# Altium PCB 掌控拓展板Ⅰ V2.1.PcbDoc (part 2 of 2)
Units mm, origin at the board's own origin, x right, y up, seen from the top; angles counter-clockwise.
Board outline 51.8 x 47.39 mm, 2 copper layers (Top Layer, Bottom Layer); 114 components, 77 nets, 340 pads, 218 vias.
Unrouted connection lines stored in the file: 2.
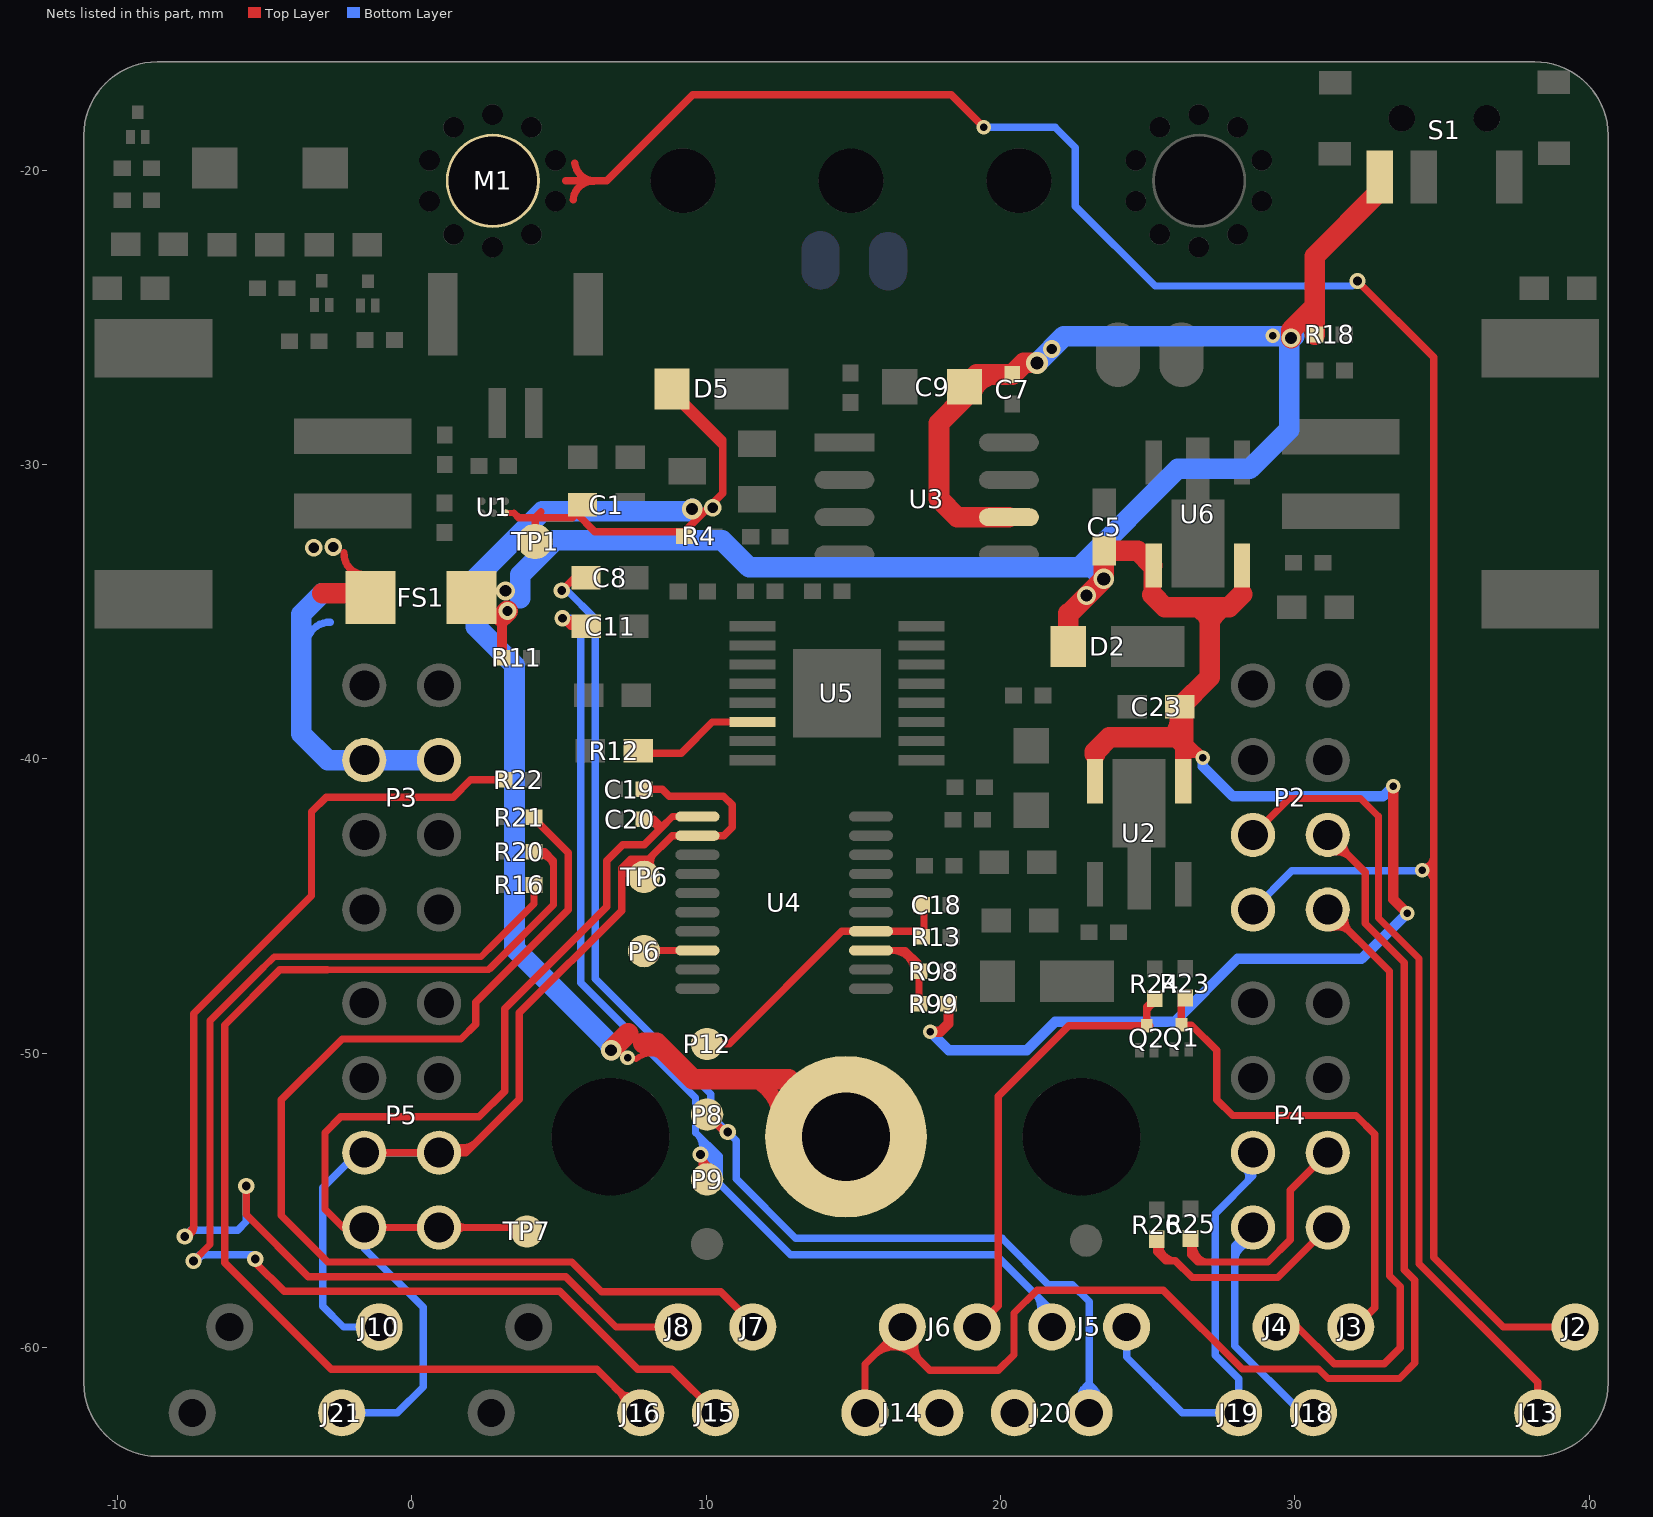
[diagram p2: the nets of this part, all layers, seen from the top]

## Via types
v1: diameter 0.5, hole 0.25, Top Layer to Bottom Layer, tented both sides, 126 vias
v2: diameter 0.55, hole 0.3, Top Layer to Bottom Layer, tented both sides, 64 vias
v3: diameter 0.6, hole 0.35, Top Layer to Bottom Layer, tented both sides, 10 vias
v4: diameter 0.7, hole 0.4, Top Layer to Bottom Layer, tented both sides, 3 vias
v5: diameter 0.65, hole 0.4, Top Layer to Bottom Layer, tented both sides, 3 vias
v6: diameter 0.6, hole 0.3, Top Layer to Bottom Layer, tented both sides, 3 vias
v7: diameter 0.55, hole 0.25, Top Layer to Bottom Layer, tented both sides, 3 vias
v8: diameter 0.8, hole 0.5, Top Layer to Bottom Layer, tented both sides, 3 vias
v9: diameter 0.75, hole 0.45, Top Layer to Bottom Layer, tented both sides, 1 vias
v10: diameter 0.65, hole 0.35, Top Layer to Bottom Layer, tented both sides, 1 vias
v11: diameter 0.7, hole 0.45, Top Layer to Bottom Layer, tented both sides, 1 vias

## Nets (pads, with @x,y where several pads share a name; then routed paths per layer and width w, separated by ;. In a path a pad name is that pad's centre, name@x,y a point inside that pad or via, vN(x,y) a via of type N, cw(c..) or ccw(c..) an arc to the next point about the centre after c; other vN are vias at no path point) (continued)
NetR12_1: R12.1 U5.6 | length 4.3
  Top Layer w0.25: R12.1@7.686,-39.806 9.147,-39.806 10.208,-38.745 U5.6@11.573,-38.745
NetR98_2: R98.2 R99.1 U4.3 | length 4
  Top Layer w0.2: U4.3@16.233,-46.535 cw(c16.322,-47.253) R98.2@17.04,-47.165
  Top Layer w0.25: U4.3@15.6,-46.51 16.771,-46.51 17.192,-46.931 ; R99.1@17.23,-48.317 17.23,-47.223 R98.2@17.237,-47.216
NRST: C18.2 P12.1 R13.2 U4.4 | length 10.1
  Top Layer w0.25: P12.1@10.029,-49.687 10.784,-49.687 14.611,-45.86 U4.4@15.6,-45.86 17.372,-45.86 R13.2@17.401,-45.889 ; R13.2@17.401,-45.903 17.408,-45.896 R13.2@17.401,-45.889 ; C18.2@17.401,-44.781 R13.2@17.401,-45.889
P0: J13.1 P2.3 | length 27.5
  Top Layer w0.25: P2.3@28.58,-42.582 29.816,-41.346 32.235,-41.346 32.845,-41.955 32.845,-45.409 34.219,-46.784 34.219,-57.152 38.254,-61.187 J13.1@38.254,-62.224
P1: J5.1 J19.1 P4.3 | length 16.1
  Bottom Layer w0.25: J5.1@24.284,-59.304 24.284,-60.326 26.182,-62.224 J19.1@28.094,-62.224 28.094,-61.06 27.299,-60.265 27.299,-55.451 28.58,-54.17 P4.3@28.58,-53.382 ; P4.3@28.264,-53.893 cw(c28.093,-54.192) 28.392,-54.363 ; P4.3@28.416,-53.218 P4.3@28.58,-53.054
P2: J6.2 J14.2 P2.4 | length 49.6
  Top Layer w0.2: P2.4@31.305,-43.192 cw(c31.423,-43.842) 31.917,-43.402 ; P2.4@31.731,-42.539 ccw(c32.428,-42.825) 31.916,-43.379
  Top Layer w0.22: 15.747,-60.235 cw(c16.385,-60.976) 17.126,-60.338 ; J6.2@17.134,-59.577 ccw(c17.539,-59.933) 17.183,-60.338 ; J6.2@17.289,-59.44 ccw(c17.894,-59.956) 17.377,-60.561
  Top Layer w0.25: J14.2@15.394,-62.224 15.394,-60.574 J6.2@16.664,-59.304 16.664,-59.851 17.593,-60.78 19.921,-60.78 20.458,-60.243 20.458,-58.832 21.239,-58.051 25.526,-58.051 28.21,-60.735 30.807,-60.735 31.127,-61.055 33.557,-61.055 34.082,-60.53 34.082,-57.721 33.719,-57.359 33.719,-46.92 32.395,-45.595 32.395,-43.857 P2.4@31.12,-42.582
P3: J2.1 M1.1 P2.1 | length 82.7
  Top Layer w0.25: 5.229,-20.357 6.621,-20.357 9.547,-17.431 18.329,-17.431 v1(19.435,-18.536) ; 5.479,-21.009 cw(c6.145,-21.04) 6.176,-20.374 ; 5.536,-19.757 ccw(c6.202,-19.69) 6.27,-20.356 ; P2.1@28.061,-45.122 P2.1@28.58,-45.122 ; v2(32.128,-23.758) 34.719,-26.35 34.719,-26.854 34.719,-43.801 ; v1@34.317,-43.703 ccw(c34.338,-43.323) 34.719,-43.344 ; 34.719,-44.161 ccw(c34.338,-44.164) v1(34.334,-43.783) 34.702,-43.783 34.719,-43.801 ; J2.1@39.524,-59.304 37.078,-59.304 34.719,-56.945 34.719,-43.801
  Bottom Layer w0.25: v1(19.435,-18.536) 21.855,-18.536 22.545,-19.226 22.545,-21.222 25.255,-23.931 31.955,-23.931 v2(32.128,-23.758) ; P2.1@28.58,-45.122 29.901,-43.801 34.405,-43.801 v1@34.44,-43.765
P4: 
P5: P4.4 R25.1 | length 8.8
  Top Layer w0.25: R25.1@26.457,-56.3 26.457,-56.857 26.695,-57.095 29.09,-57.095 29.849,-56.337 29.849,-54.653 P4.4@31.12,-53.382 ; R25.1@26.599,-56.338 ccw(c27.138,-56.555) 26.922,-57.094
P5-A: J3.2 Q1.3 R23.2 | length 17
  Top Layer w0.25: R23.2@26.272,-48.132 26.147,-48.257 Q1.3@26.147,-49.042 26.487,-49.042 27.348,-49.903 27.348,-51.581 27.888,-52.121 32.081,-52.121 32.719,-52.759 32.719,-58.646 32.061,-59.304 J3.2@31.904,-59.304
P6: J18.2 P4.1 | length 10.5
  Top Layer w0.25: J18.2@30.187,-62.224 J18.2@30.634,-62.224
  Bottom Layer w0.2: P4.1@27.971,-56.025 cw(c28.662,-56.119) P4.1@28.755,-55.429
  Bottom Layer w0.25: 27.97,-56.952 cw(c28.635,-57.108) P4.1@28.79,-56.443 ; P4.1@28.58,-55.922 27.966,-56.536 27.966,-59.949 30.241,-62.224 J18.2@30.634,-62.224
P7: J4.1 P2.2 | length 22.4
  Top Layer w0.2: P2.2@31.225,-45.765 cw(c31.429,-46.469) 31.923,-45.927 ; P2.2@31.759,-45.16 ccw(c32.44,-45.404) 31.922,-45.909
  Top Layer w0.25: J4.1@29.364,-59.304 30.089,-59.304 31.341,-60.555 33.041,-60.555 33.582,-60.014 33.582,-57.928 33.219,-57.566 33.219,-47.222 P2.2@31.12,-45.122
P8: C8.2 J20.1 P8.1 | length 44.3
  Top Layer w0.25: v2(5.093,-34.279) 5.529,-33.843 C8.2@5.906,-33.843 ; P8.1@10.029,-52.087 10.624,-52.682 v2(10.733,-52.682)
  Bottom Layer w0.22: J20.1@22.803,-62.364 cw(c23.477,-61.892) 23.005,-61.219 ; 23.022,-61.261 cw(c22.713,-61.818) J20.1@23.27,-62.128
  Bottom Layer w0.25: v2(5.093,-34.279) 5.269,-34.279 6.231,-35.241 6.231,-47.47 10.149,-51.388 10.149,-52.098 v2(10.733,-52.682) 11.017,-52.966 11.017,-54.27 13.043,-56.296 20.055,-56.296 21.625,-57.866 22.441,-57.866 23.014,-58.439 J20.1@23.014,-62.224
P9: C11.2 J5.2 P9.1 | length 43.5
  Top Layer w0.22: v2@9.731,-53.519 cw(c9.479,-53.791) P9.1@9.751,-54.042 ; v2@9.906,-53.373 ccw(c10.324,-53.478) P9.1@10.219,-53.896
  Top Layer w0.25: v2(5.117,-35.221) 5.387,-35.49 C11.2@5.925,-35.49 ; v2@5.168,-35.086 ccw(c5.441,-34.979) C11.2@5.548,-35.252 ; P9.1@10.029,-54.287 P9.1@10.231,-54.489
  Bottom Layer w0.22: 9.637,-52.699 cw(c9.247,-53.171) v2@9.719,-53.561 ; v2@9.751,-53.551 cw(c9.851,-54.139) 10.438,-54.039 ; v2@9.824,-53.352 cw(c9.919,-53.871) 10.438,-53.776 ; 21.049,-58.082 cw(c20.669,-58.653) J5.2@21.24,-59.033 ; 21.286,-58.308 cw(c20.9,-58.736) J5.2@21.328,-59.121
  Bottom Layer w0.25: v2(5.117,-35.221) 5.387,-35.221 5.731,-35.565 5.731,-47.606 9.637,-51.512 9.637,-52.699 ; 10.079,-53.14 9.637,-52.699 ; J5.2@21.744,-59.304 21.744,-58.756 19.836,-56.847 12.863,-56.847 10.444,-54.428 10.444,-53.505 9.637,-52.699
  other v2: 9.801,-53.446
P10: J20.2
P11: P4.2 R26.1 | length 8.3
  Top Layer w0.25: R26.1@25.308,-56.324 25.308,-56.743 25.616,-57.051 25.941,-57.051 26.512,-57.623 29.419,-57.623 P4.2@31.12,-55.922 ; R26.1@25.41,-56.279 ccw(c26.014,-56.45) 25.843,-57.054
P11-A: J6.1 Q2.3 R24.2 | length 16.3
  Top Layer w0.2: 24.965,-48.793 cw(c25.405,-48.736) R24.2@25.348,-48.296
  Top Layer w0.25: J6.1@19.307,-59.005 19.204,-59.107 J6.1@19.204,-59.304 19.922,-58.586 19.922,-51.469 22.319,-49.072 Q2.3@24.968,-49.072 ; Q2.3@25.067,-49.072 Q2.3@24.968,-49.072 ; R24.2@25.247,-48.147 25.067,-48.327 24.968,-48.426 Q2.3@24.968,-49.072
P12: J14.1
P13: J7.2 R21.1 | length 38.1
  Top Layer w0.25: R21.1@4.141,-41.99 4.141,-42.017 5.312,-43.189 5.312,-45.128 2.166,-48.275 2.166,-49.017 1.667,-49.516 -2.374,-49.516 -4.439,-51.582 -4.439,-55.515 -2.859,-57.095 5.434,-57.095 6.443,-58.105 10.493,-58.105 11.584,-59.196 J7.2@11.584,-59.304
P14: J15.2 R16.1 | length 43
  Top Layer w0.22: -5.049,-47.091 -4.687,-46.729 2.336,-46.729 2.618,-46.447
  Top Layer w0.25: v2(-7.42,-57.062) -6.862,-56.504 -6.862,-48.904 -5.049,-47.091 ; v2@-5.32,-56.853 -5.32,-57.118 -4.343,-58.095 5.02,-58.095 7.669,-60.744 8.834,-60.744 J15.2@10.314,-62.224 J15.2@10.314,-61.569 ; 2.618,-46.447 4.147,-44.918 R16.1@4.147,-44.285
  Bottom Layer w0.2: v2@-7.273,-57.139 cw(c-6.995,-57.154) -6.98,-56.876
  Bottom Layer w0.25: v2(-7.42,-57.062) -7.212,-56.853 v2@-5.32,-56.853
  other v2: -5.325,-56.992
P15: J8.1 R22.2 | length 44.9
  Top Layer w0.22: v2(-7.718,-56.232) ccw(c-7.718,-55.927) -7.413,-55.927
  Top Layer w0.25: v2(-7.718,-56.232) -7.413,-55.927 -7.413,-48.652 -3.415,-44.654 -3.415,-41.801 -2.913,-41.299 1.4,-41.299 1.99,-40.709 R22.2@3.128,-40.709 ; v2(-5.631,-54.513) -5.631,-55.484 -3.519,-57.595 5.227,-57.595 6.935,-59.304 J8.1@9.044,-59.304
  Bottom Layer w0.2: v2@-7.577,-56.306 cw(c-7.302,-56.285) -7.323,-56.01
  Bottom Layer w0.25: v2(-7.718,-56.232) -7.718,-56.212 -7.521,-56.015 -5.924,-56.015 -5.631,-55.721 v2(-5.631,-54.513)
P16: J16.1 R20.2 | length 42.2
  Top Layer w0.2: R20.2@4.24,-43.289 cw(c4.336,-43.751) 4.798,-43.655
  Top Layer w0.22: -2.873,-47.169 2.603,-47.169 2.663,-47.109 ; 6.898,-61.392 cw(c6.562,-61.961) J16.1@7.132,-62.297 ; 6.906,-61.378 ccw(c7.381,-61.069) J16.1@7.69,-61.544
  Top Layer w0.25: -2.873,-47.169 -4.491,-47.169 -6.362,-49.041 -6.362,-57.12 -2.745,-60.738 6.288,-60.738 J16.1@7.774,-62.224 ; 2.663,-47.109 4.812,-44.96 4.812,-43.458 4.511,-43.156 R20.2@4.154,-43.156
SCL: C19.2 J10.1 P5.3 P5.4 TP6.1 U4.12 | length 37.5
  Top Layer w0.2: 7.13,-43.948 cw(c7.499,-44.051) TP6.1@7.602,-43.682 ; 7.132,-44.065 cw(c7.423,-44.164) TP6.1@7.522,-43.873 ; 7.321,-43.561 cw(c7.44,-43.806) TP6.1@7.685,-43.687 ; TP6.1@8.214,-43.771 cw(c8.552,-43.519) 8.3,-43.181
  Top Layer w0.25: P5.3@-1.62,-53.382 P5.4@0.92,-53.382 1.827,-53.382 3.648,-51.561 3.648,-48.631 7.124,-45.155 7.124,-43.716 7.43,-43.41 8.04,-43.41 8.84,-42.61 U4.12@9.7,-42.61 10.591,-42.61 10.883,-42.318 10.883,-41.559 10.589,-41.265 8.742,-41.265 8.509,-41.032 C19.2@7.888,-41.032 ; P5.4@1.235,-53.02 ccw(c1.709,-52.56) 2.17,-53.034
  Bottom Layer w0.25: J10.1@-1.116,-59.304 -2.327,-59.304 -3.032,-58.598 -3.032,-54.568 -1.846,-53.382 P5.3@-1.62,-53.382 P5.4@0.92,-53.382
SDA: C20.2 J21.1 P5.1 P5.2 TP7.1 U4.11 | length 44.1
  Top Layer w0.2: P5.2@1.369,-55.458 ccw(c1.849,-55.427) 1.881,-55.908 ; P5.2@1.463,-56.245 cw(c1.869,-56.331) 1.955,-55.925 ; C20.2@7.831,-42.168 cw(c7.994,-42.514) 8.34,-42.351
  Top Layer w0.25: TP7.1@3.907,-56.059 3.77,-55.922 P5.2@0.92,-55.922 P5.1@-1.62,-55.922 -2.339,-55.922 -2.954,-55.308 -2.954,-52.699 -2.416,-52.161 2.28,-52.161 3.148,-51.292 3.148,-48.494 6.624,-45.019 6.624,-43.46 7.167,-42.917 7.897,-42.917 8.489,-42.325 ; C20.2@7.894,-42.052 8.215,-42.052 8.489,-42.325 ; U4.11@9.7,-41.96 8.854,-41.96 8.489,-42.325
  Bottom Layer w0.25: J21.1@-2.386,-62.224 -0.498,-62.224 0.38,-61.346 0.38,-58.637 -1.62,-56.637 P5.1@-1.62,-55.922 P5.2@0.92,-55.922
SWIM: P6.1 U4.18 | length 1.8
  Top Layer w0.25: P6.1@7.981,-46.426 8.065,-46.51 U4.18@9.7,-46.51
VCC: C5.1 C7.1 C9.1 C23.1 D2.A FS1.2 R11.1 R18.1 R99.2 S1.2 U2.4 U2.5 U3.6 U6.4 U6.5 | length 121.1
  Top Layer w0.2: 25.575,-39.143 ccw(c25.297,-38.674) C23.1@25.766,-38.395 ; 26.293,-40.005 cw(c26.602,-40.275) v1(26.872,-39.966)
  Top Layer w0.25: C9.1@19.187,-27.756 cw(c19.929,-27.892) 20.066,-27.15 ; 26.381,-35.032 cw(c26.414,-35.534) 26.916,-35.501 ; 27.285,-35.679 cw(c27.929,-35.649) 27.899,-35.006
  Top Layer w0.35: R11.1@3.057,-36.559 v3@3.057,-35.166 ; v1(17.612,-49.273) 17.956,-49.273 18.23,-48.999 R99.2@18.23,-48.317 ; 26.211,-39.482 26.389,-39.482 v1(26.872,-39.966) ; v1(33.345,-40.929) 33.345,-44.774 v1(33.818,-45.247)
  Top Layer w0.55: U2.5@23.211,-41.173 U2.5@23.211,-40.762 23.211,-39.842 ; U2.4@26.211,-40.762 26.211,-39.482 ; 28.205,-34.408 U6.5@28.205,-33.427
  Top Layer w0.6: 25.163,-34.427 U6.4@25.163,-33.428
  Top Layer w0.7: v3@3.057,-35.166 v3(3.247,-34.976) ; U3.6@20.287,-31.788 18.535,-31.788 17.909,-31.162 17.909,-28.59 18.779,-27.721 C9.1@18.779,-27.355 19.196,-26.938 C7.1@20.405,-26.938 20.798,-26.544 v9(21.244,-26.544) ; D2.A@22.302,-36.179 22.302,-35.092 ; 22.302,-35.048 22.302,-35.092 ; 23.21,-39.842 23.21,-39.764 23.705,-39.269 25.997,-39.269 26.211,-39.482 C23.1@26.211,-38.311 ; 25.163,-34.427 25.582,-34.846 26.906,-34.846 ; U6.4@25.163,-33.428 24.66,-32.926 23.502,-32.926 23.509,-32.933 v11(23.509,-33.885) 22.302,-35.092 ; C23.1@26.098,-38.235 27.111,-37.223 27.111,-35.051 26.906,-34.846 ; 28.205,-34.408 27.767,-34.846 26.906,-34.846 ; v5(29.876,-25.697) 29.876,-25.429 30.68,-24.624 ; R18.1@30.68,-25.578 30.68,-24.624 ; S1.2@32.882,-20.232 32.882,-20.715 30.68,-22.916 30.68,-24.624
  Bottom Layer w0.35: v1(17.612,-49.273) 18.24,-49.901 20.889,-49.901 21.861,-48.929 25.921,-48.929 28.054,-46.795 32.269,-46.795 v1(33.818,-45.247) v1@33.843,-45.221 ; v1(26.872,-39.966) 26.872,-40.245 27.899,-41.273 33.001,-41.273 v1(33.345,-40.929)
  Bottom Layer w0.7: 3.678,-34.54 3.678,-33.749 4.85,-32.576 10.548,-32.576 11.456,-33.485 22.681,-33.485 ; v9(21.244,-26.544) 22.157,-25.632 v5@29.811,-25.632 ; v11(23.509,-33.885) 23.108,-33.485 22.681,-33.485 ; v5@29.989,-25.632 v5@29.811,-25.632 ; 22.681,-33.485 26.024,-30.142 28.476,-30.142 29.811,-28.807 v5@29.811,-25.632
  other v1: 29.25,-25.616
  other v3: 21.737,-26.071
  other v5: 22.923,-34.447 3.181,-34.29
VCC1: FS1.1 P3.5 P3.6 | length 14.2
  Top Layer w0.25: -2.309,-32.99 ccw(c-1.594,-33.025) FS1.1@-1.629,-33.74 ; FS1.1@-1.548,-34.375 FS1.1@-1.413,-34.51
  Top Layer w0.7: -3.048,-34.375 FS1.1@-1.548,-34.375
  Bottom Layer w0.25: -3.588,-36.122 cw(c-2.793,-36.15) -2.766,-35.355
  Bottom Layer w0.7: -3.048,-34.375 -3.759,-35.086 -3.759,-39.146 -2.864,-40.041 P3.5@-1.619,-40.041 P3.6@0.921,-40.041
  other v3: -3.341,-32.826 -2.674,-32.801
VIN: C1.1 D5.A pad.M3@14.75,-52.84 R4.2 TP1.1 U1.A2 | length 58.1
  Top Layer w0.2: U1.A2@3.172,-31.647 3.468,-31.647 ; 7.613,-50.204 cw(c8.105,-50.742) 8.643,-50.25 ; 10.916,-50.948 cw(c11.019,-52.276) pad.M3@12.347,-52.173 ; 11.305,-51.028 cw(c11.385,-52.093) pad.M3@12.45,-52.013 ; 11.717,-51.074 cw(c11.797,-51.829) pad.M3@12.553,-51.749
  Top Layer w0.25: 3.468,-31.647 3.63,-31.809 4.186,-31.809 ; TP1.1@4.186,-32.614 4.186,-31.809 ; 4.385,-31.605 4.186,-31.805 4.186,-31.809 ; C1.1@5.827,-31.43 C1.1@5.595,-31.662 ; 4.186,-31.809 5.448,-31.809 C1.1@5.595,-31.662 ; C1.1@5.595,-31.662 6.216,-32.283 9.257,-32.283 10.561,-30.979 10.561,-29.38 ; 10.561,-29.38 8.838,-27.657 D5.A@8.838,-27.428 10.561,-29.151 10.561,-29.38
  Top Layer w0.7: v4(6.768,-49.897) 7.348,-49.317 ; 7.86,-49.656 8.317,-49.656 9.548,-50.887 12.797,-50.887 pad.M3@14.75,-52.84
  Bottom Layer w0.7: v4@6.723,-49.75 v4@6.723,-49.671 ; v4(6.768,-49.897) 6.768,-49.715 v4@6.723,-49.671 ; v4(9.519,-31.507) 9.437,-31.59 4.436,-31.59 2.175,-33.851 2.175,-35.504 3.485,-36.814 3.485,-46.432 v4@6.723,-49.671
  other v1: 7.328,-50.157
  other v3: 10.223,-31.468
pads on no net: B1. B2. BT1.3 BT1.4 M1.12 M1.13 M1.14 M1.15 M1.16 M1.18 M1.19 M1.20 M1.22 M1.24 M2.12 M2.13 M2.14 M2.15 M2.16 M2.18 M2.19 M2.20 M2.22 M2.24 S1.0@33.632,-18.232 S1.0@36.532,-18.232 S1.1 U2.3 U4.5 U4.6 U4.10 U5.8 U6.3

## Polygon pours and split planes (outlines as drawn)
AU_GND on Top Layer "Bottom Layer-No Net" (solid, remove dead copper, pour order 0): 12.162,-26.064 12.166,-23.574 12.171,-21 17.321,-20.905 19.494,-22.845 24.069,-22.942 24.876,-23.493 25.509,-24.127 26.411,-24.127 27,-24.127 27.089,-24.216 28.615,-25.742 28.615,-26.849 28.615,-27.17 28.151,-27.634 27.146,-28.684 26.175,-28.684 24.736,-28.684 24.385,-29.036 22.823,-30.598 22.823,-32.151 22.823,-33.204 22.716,-33.311 22.145,-33.882 16.683,-33.882 13.505,-33.882 13.148,-33.525 12.835,-33.212 12.835,-31.097 12.835,-26.737
GND on Top Layer "Bottom Layer-No Net" (solid, remove dead copper, pour order 4): -11.277,-16.028 39.505,-16.028 40.239,-16.762 40.906,-17.43 40.906,-20.699 40.906,-62.005 40.206,-62.706 39.005,-63.907 36.636,-63.907 -9.909,-63.907 -10.743,-63.073 -11.477,-62.339 -11.477,-58.935 -11.477,-16.328 -11.143,-15.995
AU_GND on Bottom Layer "Bottom Layer-No Net" (solid, remove dead copper, pour order 2): 12.185,-26.068 12.185,-26.034 12.185,-20.973 17.357,-20.242 19.264,-20.812 20.027,-20.973 21.963,-20.973 22.344,-20.973 23.883,-22.513 25.461,-24.09 26.711,-24.09 27.031,-24.09 27.198,-24.258 28.654,-25.713 28.654,-27.024 28.654,-27.169 27.297,-28.525 27.137,-28.686 26.238,-28.686 24.813,-28.686 24.066,-29.433 22.87,-30.629 22.87,-32.405 22.87,-32.694 22.77,-32.793 22.366,-33.198 21.368,-33.198 13.412,-33.198 13.153,-32.938 12.802,-32.587 12.802,-28.427 12.802,-26.735 12.185,-26.117
GND on Bottom Layer "Bottom Layer-No Net" (solid, remove dead copper, pour order 6): -10.61,-16.162 -10.276,-15.828 38.971,-15.828 39.705,-15.828 40.773,-16.896 41.373,-17.496 41.373,-20.833 41.373,-61.738 40.106,-63.006 39.372,-63.74 21.888,-63.74 -9.809,-63.74 -10.81,-62.739 -11.677,-61.872 -11.677,-56.8 -11.677,-17.196 -10.709,-16.228

## Keep-outs
Keep-Out Layer:
  lines w0.013: -11.178,-18.812 -11.15,-18.812 ; -8.65,-16.293 -8.65,-16.312 ; 38.15,-63.7 38.1,-63.7 -8.6,-63.7 -8.65,-63.7 ; 140.399,12.507 136.399,12.507 136.399,-86.275 140.399,-86.275 140.399,-82.774 140.399,-77.773 ; 140.399,-47.385 140.399,-42.385 140.399,-31.384 140.399,-26.383 ; 140.399,9.005 140.399,12.507 ; 142.399,-83.771 ccw(c144.906,-83.764) 144.899,-86.271 144.949,-86.271 ; 144.949,-86.27 191.649,-86.27 ; 144.949,-38.883 191.649,-38.883 ; 144.949,-34.881 191.649,-34.881 ; 191.699,-86.271 191.649,-86.271 ; 194.2,-32.381 cw(c191.692,-32.373) 191.7,-34.88 ; 198.199,-83.765 ccw(c200.706,-83.758) 200.699,-86.265 200.749,-86.265 ; 198.199,-41.378 cw(c200.706,-41.385) 200.699,-38.878 ; 200.685,-34.876 200.749,-34.876 ; 200.699,-86.265 cw(c200.706,-83.758) 198.199,-83.765 ; 200.749,-86.265 247.449,-86.265 ; 200.749,-38.877 247.449,-38.877 ; 200.749,-34.875 247.449,-34.875 ; 250,-32.375 cw(c247.492,-32.368) 247.5,-34.875 ; 251.999,-77.764 251.999,-82.763 251.999,-86.265 255.999,-86.265 ; 251.999,-47.375 251.999,-42.375 251.999,-31.373 251.999,-26.374 ; 251.999,9.015 251.999,12.517 255.999,12.517 255.999,-86.265 ; -11.15,-61.2 ccw(c-8.643,-61.193) -8.65,-63.7 ; -11.15,-61.2 ccw(c-8.643,-61.193) -8.65,-63.7 ; -11.15,-61.2 -11.15,-18.812 ; -11.15,-61.2 -11.15,-18.812 ; -11.15,-18.812 cw(c-8.643,-18.82) -8.65,-16.312 ; -11.15,-18.812 cw(c-8.643,-18.82) -8.65,-16.312 ; -8.65,-16.312 -8.6,-16.312 ; -8.65,-16.312 -8.6,-16.312 ; -8.6,-16.312 38.1,-16.312 ; -8.6,-16.312 38.1,-16.312 ; 38.1,-16.312 38.15,-16.312 ; 38.1,-16.312 38.15,-16.312 ; 38.15,-16.312 cw(c38.143,-18.819) 40.65,-18.812 ; 38.15,-16.312 cw(c38.143,-18.819) 40.65,-18.812 ; 40.65,-61.2 cw(c38.143,-61.192) 38.15,-63.7 ccw(c38.143,-61.192) 40.65,-61.2 ; 40.65,-61.2 40.65,-18.812 ; 40.65,-61.2 40.65,-18.812 ; 142.399,-41.383 cw(c144.906,-41.39) 144.899,-38.883 144.949,-38.883 191.649,-38.883 191.699,-38.883 ; 142.399,-41.383 142.399,-83.771 142.399,-41.383 ; 142.399,10.007 cw(c144.906,10) 144.899,12.507 ; 142.399,10.007 cw(c144.906,10) 144.899,12.507 ; 142.399,10.007 cw(c144.906,10) 144.899,12.507 ; 142.399,10.007 142.399,-32.381 142.399,10.007 ; 144.899,-34.881 cw(c144.906,-32.374) 142.399,-32.381 ccw(c144.906,-32.374) 144.899,-34.881 ; 144.899,-34.881 144.949,-34.881 ; 144.899,12.507 144.949,12.507 ; 144.949,-86.271 191.649,-86.271 ; 144.949,-86.271 191.649,-86.271 ; 144.949,-34.881 191.649,-34.881 ; 144.949,-34.881 191.649,-34.881 ; 144.949,12.507 191.649,12.507 ; 144.949,12.507 191.649,12.507 ; 191.649,-34.881 191.699,-34.881 ; 191.649,-34.88 191.699,-34.88 ; 191.649,12.507 191.699,12.507 ; 191.699,-86.27 ccw(c191.692,-83.763) 194.199,-83.771 ; 191.699,-86.27 ccw(c191.692,-83.763) 194.199,-83.771 ; 191.699,-86.27 ccw(c191.692,-83.763) 194.199,-83.771 ; 191.699,-38.883 cw(c191.692,-41.39) 194.199,-41.383 ; 191.699,-38.883 cw(c191.692,-41.39) 194.199,-41.383 ; 191.699,-38.883 cw(c191.692,-41.39) 194.199,-41.383 ; 191.699,-38.883 cw(c191.692,-41.39) 194.199,-41.383 ; 191.699,-34.88 ccw(c191.692,-32.373) 194.199,-32.381 ; 191.699,-34.88 ccw(c191.692,-32.373) 194.199,-32.381 ; 191.699,12.507 cw(c191.692,10) 194.199,10.007 ; 191.699,12.507 cw(c191.692,10) 194.199,10.007 ; 191.699,12.507 cw(c191.692,10) 194.199,10.007 ; 191.699,12.507 cw(c191.692,10) 194.199,10.007 ; 191.699,12.507 cw(c191.692,10) 194.199,10.007 ; 194.199,-83.771 194.199,-41.383 ; 194.199,-83.771 194.199,-41.383 ; 194.199,-32.381 194.199,10.007 ; 194.199,-32.381 194.199,10.007 ; 194.199,-32.381 194.199,10.007 ; 194.199,-32.381 194.199,10.007 ; 198.199,-83.765 198.199,-41.378 ; 198.199,-83.765 198.199,-41.378 ; 198.199,-83.765 198.199,-41.378 ; 198.199,-41.378 cw(c200.706,-41.385) 200.699,-38.878 ; 198.199,10.012 cw(c200.706,10.005) 200.699,12.512 ; 198.199,10.012 cw(c200.706,10.005) 200.699,12.512 ; 198.199,10.012 cw(c200.706,10.005) 200.699,12.512 ; 198.199,10.012 198.199,-32.375 198.199,10.012 ; 200.699,-38.878 200.749,-38.878 247.449,-38.878 247.499,-38.878 ; 200.749,-86.265 247.449,-86.265 ; 200.749,-86.265 247.449,-86.265 ; 200.749,-34.876 247.449,-34.876 ; 200.749,-34.876 247.449,-34.876 ; 247.449,-86.265 247.499,-86.265 ; 247.449,-86.265 247.499,-86.265 ; 247.449,-34.875 247.499,-34.875 ; 247.449,-34.875 247.499,-34.875 ; 247.449,12.512 200.749,12.512 247.449,12.512 ; 247.449,12.512 247.499,12.512 ; 247.499,-86.265 ccw(c247.492,-83.758) 249.999,-83.766 ; 247.499,-86.265 ccw(c247.492,-83.758) 249.999,-83.765 ; 247.499,-86.265 ccw(c247.492,-83.758) 249.999,-83.765 ; 247.499,-86.265 ccw(c247.492,-83.758) 249.999,-83.765 ; 247.499,-38.878 cw(c247.492,-41.385) 249.999,-41.378 ; 247.499,-38.878 cw(c247.492,-41.385) 249.999,-41.378 ; 247.499,-38.878 cw(c247.492,-41.385) 249.999,-41.378 ; 247.499,-34.875 ccw(c247.492,-32.368) 249.999,-32.375 ; 247.499,-34.875 ccw(c247.492,-32.368) 249.999,-32.375 ; 247.499,12.512 cw(c247.492,10.005) 249.999,10.012 ; 247.499,12.512 cw(c247.492,10.005) 249.999,10.012 ; 247.499,12.512 cw(c247.492,10.005) 249.999,10.012 ; 247.499,12.512 cw(c247.492,10.005) 249.999,10.012 ; 247.499,12.512 cw(c247.492,10.005) 249.999,10.012 ; 249.999,-83.765 249.999,-41.378 ; 249.999,-83.765 249.999,-41.378 ; 249.999,-83.765 249.999,-41.378 ; 249.999,-41.378 ccw(c247.492,-41.385) 247.499,-38.877 cw(c247.492,-41.385) 249.999,-41.377 ; 249.999,-32.375 249.999,10.012 ; 249.999,-32.375 249.999,10.012 ; 249.999,-32.375 249.999,10.012 ; 249.999,-32.375 249.999,10.012 ; 8.114,-20.357 ccw(c9.214,-20.357) 9.214,-21.457 ccw(c9.214,-20.357) 10.314,-20.357 ccw(c9.214,-20.357) 9.214,-19.257 ccw(c9.214,-20.357) 8.114,-20.357 ; 13.822,-20.357 ccw(c14.922,-20.357) 14.922,-21.457 ccw(c14.922,-20.357) 16.022,-20.357 ccw(c14.922,-20.357) 14.922,-19.257 ccw(c14.922,-20.357) 13.822,-20.357 ; 19.531,-20.357 ccw(c20.631,-20.357) 20.631,-21.457 ccw(c20.631,-20.357) 21.731,-20.357 ccw(c20.631,-20.357) 20.631,-19.257 ccw(c20.631,-20.357) 19.531,-20.357 ; 198.199,-32.375 ccw(c200.706,-32.368) 200.699,-34.876 cw(c200.706,-32.368) 198.199,-32.375
  lines w0.05: 140.399,-77.773 cw(c141.399,-77.773) 142.399,-77.771 ; 140.399,-47.385 ccw(c141.399,-47.382) 142.399,-47.382 ; 140.399,-26.383 cw(c141.399,-26.383) 142.399,-26.381 ; 140.399,4.005 ccw(c141.399,4.008) 142.399,4.008 ; 194.2,-77.77 cw(c196.2,-77.77) 198.2,-77.765 ; 194.199,-47.382 ccw(c196.199,-47.377) 198.199,-47.377 ; 194.199,-26.38 cw(c196.199,-26.38) 198.199,-26.375 ; 194.199,4.008 ccw(c196.199,4.013) 198.199,4.013 ; 249.999,-77.766 cw(c250.999,-77.766) 251.999,-77.764 ; 249.999,-47.378 ccw(c250.999,-47.375) 251.999,-47.375 ; 249.999,-26.376 cw(c250.999,-26.376) 251.999,-26.374 ; 249.999,4.012 ccw(c250.999,4.015) 251.999,4.015

## Other copper
Top Layer:
  rectangle net NetD5_C: 33.981,-22.44 34.772,-20.868
  region net GND: 24.219,-30.381 23.69,-30.381 23.69,-31.161 24.219,-31.161
  region net GND: 27.482,-29.825 26.946,-29.825 26.946,-30.415 27.482,-30.415
  region net GND: 1.959,-37.504 1.176,-37.504 1.176,-37.831 1.959,-37.831
  region net GND: 1.163,-37.23 -2.977,-37.23 -2.977,-37.765 1.163,-37.765
  region net VCC1: -2.099,-32.469 -3.626,-32.469 -3.626,-35.17 -2.099,-35.17
  region net VIN: 9.149,-32.015 6.403,-32.015 6.403,-32.15 9.149,-32.15
  region net GND: 2.796,-27.88 2.177,-27.88 2.177,-28.779 2.796,-28.779
  region net GND: 5.757,-37.536 5.045,-37.536 5.045,-38.102 5.757,-38.102
  region net GND: 24.69,-45.698 24.207,-45.698 24.207,-46.085 24.69,-46.085
  region net GND: 24.839,-45.013 24.406,-45.013 24.406,-45.955 24.839,-45.955
  region net GND: 24.226,-38.049 23.629,-38.049 23.629,-38.447 24.226,-38.447
  region net GND: 26.21,-31.479 25.107,-31.479 25.107,-32.038 26.21,-32.038
  region net GND: 24.269,-31.054 23.66,-31.054 23.66,-31.613 24.269,-31.613
  region net GND: 7.702,-30.024 7.151,-30.024 7.151,-31.287 7.702,-31.287
  region net GND: 12.76,-32.516 12.258,-32.516 12.258,-33.634 12.76,-33.634
  region net VCC: 3.768,-33.633 2.185,-33.633 2.185,-35.362 3.768,-35.362
  region net VCC1: -1.601,-33.701 -3.426,-33.701 -3.426,-35.304 -1.601,-35.304
  region net AU_GND: 19.874,-30.248 18.834,-30.248 18.834,-30.77 19.874,-30.77
  region net GND: 30.254,-20.009 28.6,-20.009 28.6,-20.91 30.254,-20.91
  region net GND: 24.268,-19.777 23.04,-19.777 23.04,-20.465 24.268,-20.465
  region net GND: 18.703,-43.303 18.14,-43.303 18.14,-45.054 18.703,-45.054
  region net GND: 7.064,-40.473 6.635,-40.473 6.635,-42.15 7.064,-42.15
  region net GND: 0.859,-47.904 -2.962,-47.904 -2.962,-48.624 0.859,-48.624
  region net GND: 32.401,-48.039 28.548,-48.039 28.548,-48.793 32.401,-48.793
  region net NetD5_C: 11.361,-23.95 10.324,-23.95 10.324,-25.68 11.361,-25.68
  pour cut-out: 11.318,-52.891 ccw(c14.818,-52.891) 14.818,-56.391 ccw(c14.818,-52.891) 18.318,-52.891 ccw(c14.818,-52.891) 14.818,-49.391 ccw(c14.818,-52.891)
  pour cut-out: 20.651,-46.692 20.69,-46.731 21.526,-46.731 21.526,-47.919 21.37,-48.076 20.351,-48.076 20.351,-46.861 20.325,-46.835 20.455,-46.705 20.599,-46.705
  region net VCC: 21.862,-35.968 21.862,-34.795 23.131,-33.526 23.131,-32.854 23.216,-32.769 23.717,-32.769 23.897,-32.95 23.897,-34.208 22.837,-35.268 22.837,-36.328 22.619,-36.546 22.307,-36.546
  pour cut-out: -7.81,-22.25 -7.771,-22.289 -6.935,-22.289 -6.935,-23.477 -7.092,-23.634 -8.11,-23.634 -8.11,-22.42 -8.137,-22.393 -8.006,-22.263 -7.862,-22.263
  pour cut-out: -4.414,-21.806 -4.375,-21.845 -3.539,-21.845 -3.539,-23.033 -3.696,-23.19 -4.714,-23.19 -4.714,-21.975 -4.741,-21.949 -4.61,-21.819 -4.466,-21.819
  region net GND: 25.946,-52.934 25.946,-53.064 26.512,-53.631 26.512,-54.416 26.378,-54.55 26.03,-54.55 25.873,-54.393 25.873,-53.018 25.957,-52.934
  region net GND: 0.987,-32.065 0.991,-32.068 1.454,-32.068 1.657,-31.865 2.209,-31.865 2.306,-31.768 2.413,-31.768 2.476,-31.831 2.476,-32.348 2.136,-32.689 1.6,-32.689 1.435,-32.524 1.431,-32.528 1.167,-32.528 0.995,-32.356 0.995,-32.053
  region net NetBT1_1: 3.379,-31.185 3.628,-30.936 3.628,-30.554 4.048,-30.134 4.557,-30.134 4.713,-30.29 4.713,-30.581 4.526,-30.769 4.229,-30.769 3.652,-31.346 3.519,-31.346 3.374,-31.2
  pour cut-out: 12.193,-52.323 12.14,-52.528 12.117,-52.867 12.152,-53.235 12.222,-53.583 12.409,-54.04 12.681,-54.469 13.131,-54.949 13.593,-55.227 14.295,-55.466 14.915,-55.49 15.79,-55.288 16.374,-54.937 16.813,-54.498 17.14,-54.031 17.339,-53.393 17.404,-52.744 17.316,-52.162 17.035,-51.504 16.655,-50.989 16.14,-50.539 15.661,-50.329 15.216,-50.217 14.579,-50.2 14.035,-50.282 13.503,-50.498 12.929,-50.873 12.544,-51.346 12.327,-51.791 12.199,-52.156 12.178,-52.311
  region net VIN: 8.724,-27.36 8.512,-27.571 8.512,-28.159 9.722,-29.369 10.005,-29.369 10.224,-29.588 10.224,-30.744 8.891,-32.054 6.503,-32.054 6.199,-31.775 6.199,-31.246 5.967,-31.015 4.341,-31.015 3.813,-31.544 3.466,-31.544 3.466,-31.603 3.406,-31.663 3.67,-31.927 5.128,-31.927 5.901,-32.7 9.391,-32.7 9.53,-32.561 9.53,-32.201 9.837,-31.894 10.502,-31.894 10.858,-31.537 10.858,-29.061 9.117,-27.32 8.71,-27.32
  region net VIN: 8.599,-49.456 7.599,-50.456 6.449,-50.456 6.206,-50.213 6.206,-49.926 7.157,-48.975 8.284,-48.975 8.671,-49.362
  region net VCC: 30.947,-24.753 30.988,-24.794 30.988,-25.918 30.793,-26.113 29.137,-26.113 28.948,-25.924 28.948,-25.439 30.515,-23.872 30.663,-23.872
  region net VCC: 20.064,-26.745 21.063,-25.747 21.938,-25.747 22.079,-25.887 22.079,-26.316 21.142,-27.253 20.012,-27.253 19.898,-27.139
  region net VIN: 9.399,-31.121 10.561,-31.121 10.641,-31.201 10.126,-31.716 9.448,-31.716 8.962,-32.203 8.317,-32.203
  pour cut-out: 9.46,-26.442 9.5,-26.481 10.335,-26.481 10.335,-27.669 10.179,-27.826 9.16,-27.826 9.16,-26.612 9.134,-26.585 9.264,-26.455 9.408,-26.455
Bottom Layer:
  region net VCC1: -2.242,-32.402 -3.727,-32.402 -3.727,-35.523 -2.242,-35.523
  region net VCC1: -2.306,-33.281 -3.383,-33.281 -3.383,-35.488 -2.306,-35.488
  region net GND: 29.117,-19.844 29.117,-20.868 30.388,-20.868 30.388,-19.844
  region net GND: 24.307,-19.538 23.163,-19.538 23.163,-20.516 24.307,-20.516
  region net GND: 0.899,-47.926 -3.32,-47.926 -3.32,-48.626 0.899,-48.626
  region net GND: 32.413,-47.872 28.788,-47.872 28.788,-48.577 32.413,-48.577
  region net GND: 15.799,-18.707 13.896,-18.707 13.896,-19.182 15.799,-19.182
  pour cut-out: 11.25,-52.84 ccw(c14.75,-52.84) 14.75,-56.34 ccw(c14.75,-52.84) 18.25,-52.84 ccw(c14.75,-52.84) 14.75,-49.34 ccw(c14.75,-52.84)
  region net VCC: 24.012,-32.42 24.028,-32.436 24.028,-34.325 23.533,-34.821 22.679,-34.821 21.49,-33.633 21.49,-33.441 22.016,-33.441 22.222,-33.236 23.03,-33.236 23.853,-32.413 23.86,-32.42 24.028,-32.42
  pour cut-out: 12.193,-52.323 12.14,-52.528 12.117,-52.867 12.152,-53.235 12.222,-53.583 12.409,-54.04 12.681,-54.469 13.131,-54.949 13.593,-55.227 14.295,-55.466 14.915,-55.49 15.79,-55.288 16.374,-54.937 16.813,-54.498 17.14,-54.031 17.339,-53.393 17.404,-52.744 17.316,-52.162 17.035,-51.504 16.655,-50.989 16.14,-50.539 15.661,-50.329 15.216,-50.217 14.579,-50.2 14.035,-50.282 13.503,-50.498 12.929,-50.873 12.544,-51.346 12.327,-51.791 12.199,-52.156 12.178,-52.311
  region net VCC: 3.972,-33.348 3.927,-33.393 3.573,-33.393 2.83,-34.136 2.83,-35.15 3.036,-35.357 3.927,-35.357 4.109,-35.174 4.109,-33.452 3.976,-33.319
  region net VIN: 6.046,-49.207 6.217,-49.379 6.217,-50.147 6.521,-50.45 7.566,-50.45 7.671,-50.346 7.654,-50.147 7.626,-50.108 6.919,-49.4 6.522,-49.4
  region net VIN: 8.28,-31.474 8.677,-31.474 9.131,-31.02 10.446,-31.02 10.594,-31.168 10.594,-31.739 10.421,-31.912 8.908,-31.912 8.652,-31.656
  region net VCC: 28.659,-25.616 28.736,-25.616 29.734,-26.615 30.036,-26.615 30.432,-26.22 30.432,-25.457 30.273,-25.297 28.942,-25.297 28.694,-25.545
  region net VCC: 22.569,-25.808 21.448,-26.928 20.948,-26.928 20.791,-26.771 20.791,-26.377 21.851,-25.318 22.236,-25.318
  region net NetD5_C: 23.117,-23.015 23.073,-22.971 21.296,-22.971 21.111,-22.786 21.111,-22.277 21.301,-22.087 22.845,-22.087 23.127,-22.369 23.127,-22.962
Multi-Layer:
  pour cut-out: 26.75,-23.671 cw(c26.75,-20.357) 23.435,-20.357 cw(c26.75,-20.357) 26.75,-17.042 cw(c26.75,-20.357) 30.065,-20.357 cw(c26.75,-20.357)
  pour cut-out: 2.75,-23.671 cw(c2.75,-20.357) -0.565,-20.357 cw(c2.75,-20.357) 2.75,-17.042 cw(c2.75,-20.357) 6.065,-20.357 cw(c2.75,-20.357)

## Silkscreen, mask and mechanical layers (free items; w line width, h text height)
Top Overlay:
  circle w0.25: c13.132,-29.246 r0.367
  rectangle: 51.281,51.144 53.168,53.035
  rectangle: 19.801,42.656 21.615,44.47
  rectangle: 5.581,38.13 7.322,39.865
  region: 25.36,-25.243 24.815,-25.243 24.815,-27.5 25.36,-27.5
  lines w0.127: -22.864,4.381 59.802,4.381 ; -22.86,9.855 59.802,9.855 ; -22.86,71.975 59.802,71.95 ; -22.85,37.245 59.802,37.2 ; -22.83,49.845 59.802,49.845 ; -22.83,54.515 59.802,54.515 ; -22.83,59.135 59.802,59.135 ; -22.81,41.645 59.802,41.645 ; -22.79,63.085 59.802,63.085 ; -22.77,45.855 59.802,45.855 ; -22.77,67.195 59.802,67.195 ; 59.802,-0.9 59.802,84.7 ; 59.802,-0.895 -22.861,-0.895 -22.861,84.705 ; 59.802,76.7 -22.861,76.7 -22.861,84.705 ; 59.802,84.705 -22.861,84.705 ; 5.508,38.052 7.4,38.052 7.4,39.943 5.508,39.943 5.508,38.052 ; 5.545,42.574 7.436,42.574 7.436,44.465 5.545,44.465 5.545,42.574 ; 5.577,51.129 7.464,51.129 7.464,53.02 5.577,53.02 5.577,51.129 ; 5.581,38.13 7.322,38.13 7.322,39.865 5.581,39.865 5.581,38.13 ; 5.623,42.652 7.358,42.652 7.358,44.387 5.623,44.387 5.623,42.652 ; 5.65,51.207 7.391,51.207 7.391,52.942 5.65,52.942 5.65,51.207 ; 17.709,51.056 17.709,52.947 19.6,52.947 19.6,51.056 17.709,51.056 ; 17.787,51.134 17.787,52.869 19.522,52.869 19.522,51.134 17.787,51.134 ; 19.732,42.574 19.732,44.465 21.624,44.465 21.624,42.574 19.732,42.574 ; 19.791,38.102 19.791,39.993 21.682,39.993 21.682,38.102 19.791,38.102 ; 19.81,42.652 19.81,44.387 21.546,44.387 21.546,42.652 19.81,42.652 ; 19.869,38.18 19.869,39.915 21.604,39.915 21.604,38.18 19.869,38.18 ; 27.15,51.129 29.042,51.129 29.042,53.02 27.15,53.02 27.15,51.129 ; 27.228,51.207 28.964,51.207 28.964,52.942 27.228,52.942 27.228,51.207 ; 36.415,42.574 38.306,42.574 38.306,44.465 36.415,44.465 36.415,42.574 ; 36.493,42.652 38.233,42.652 38.233,44.387 36.493,44.387 36.493,42.652 ; 36.806,51.078 38.693,51.078 38.693,52.969 36.806,52.969 36.806,51.078 ; 36.879,51.156 38.62,51.156 38.62,52.891 36.879,52.891 36.879,51.156 ; 51.268,51.129 53.16,51.129 53.16,53.02 51.268,53.02 51.268,51.129 ; 51.346,51.207 53.082,51.207 53.082,52.942 51.346,52.942 51.346,51.207
  lines w0.15: 3.602,37.231 3.602,76.7 ; 29.524,-31.173 29.524,-31.147 29.55,-31.121
  lines w0.175: 6.78,-26.108 22.78,-26.108 ; 6.78,-26.107 6.78,-16.708 22.78,-16.708 22.78,-26.1
  lines w0.2: 2.188,-47.032 4.541,-47.032 ; 2.208,-54.994 4.557,-54.994 ; 4.566,-54.994 4.566,-47.072
  text "PCB加工工艺要求说明" at -1.598,79.3 h5
  text "层数:" at -17.548,73.45 h3
  text "层" at 9.602,73.45 h3
  text "2" at 5.802,73.4 h3
  text "1" at -21.129,73.167 h2
  text "mm" at 10.902,68.9 h3
  text "1.6" at 5.802,68.65 h3
  text "板厚:" at -17.545,68.6 h3
  text "2" at -21.129,68.237 h2
  text "FR4 双面玻纤板" at 5.602,64.35 h3
  text "材料:" at -17.545,64.3 h3
  text "3" at -21.129,64.047 h2
  text "大于35um" at 5.502,60.35 h3
  text "铜箔厚度:" at -17.548,60.3 h3
  text "4" at -21.129,60.2 h2
  text "5" at -21.129,56.227 h2
  text "过孔处理:" at -17.498,56.1 h3
  text "盖油" at 5.302,56 h3
  text "表面处理:" at -17.498,51.35 h3
  text "镀镍" at 20.501,51.327 h3
  text "抗氧化" at 8.652,51.259 h3
  text "镀金" at 29.977,51.25 h3
  text "沉金" at 53.702,51.245 h3
  text "无铅喷锡" at 39.317,51.191 h3
  text "6" at -21.129,51.097 h2
  text "沉金厚度:" at -17.498,47.2 h3
  text "金厚>1u\"" at 5.502,47.05 h3
  text "7" at -21.129,46.947 h2
  text "阻焊，字符颜色：" at -17.501,43.05 h3
  text "8" at -21.129,42.957 h2
  text "绿油白字" at 8.402,42.75 h3
  text "亮黑油白字" at 22.102,42.7 h3
  text "红油白字" at 39.202,42.65 h3
  text "符合RoHS标准：" at -17.498,38.75 h3
  text "9" at -21.129,38.727 h2
  text "是" at 8.702,38.2 h3
  text "否" at 23.152,38.2 h3
  text "拼板方式：" at -17.498,34.45 h3
  text "10" at -21.129,34.24 h2
  text "见右图" at 12.702,24.7 h2.52
  text "版本：" at 34.21,6.233 h3
  text "PCB名称：" at -20.457,6.094 h3
  text "把我司料号丝印在工艺板上" at -0.574,1.973 h2.5
  text "其他特殊说明:" at -20.457,0.75 h3
  text "生产日期请丝印在PCB正面指定的位置。" at -2.305,-0.367 h2.5
  text "此款是外观件，注意沉金颜色、油墨丝颜色和白油丝印" at -2.014,-3.862 h2.5
  text "喇叭" at 27.818,-24.85 h1.8
  text "+" at 27.812,-26.805 h1
  text "-" at 1.885,-29.599 h1.8
  text "+" at 3.999,-30.199 h1.8
  text "VBUS" at 5.223,-32.942 h1
  text "V2.1" at 34.197,-44.474 h1.5 r90
  text "SCL" at 5.361,-45.115 h0.8
  text "SWIM" at 5.71,-48.463 h0.85
  text "NRST" at 6.223,-50.107 h0.8
  text "P8" at 11.696,-52.328 h0.8 r90
  text "P9" at 11.78,-55.551 h0.8 r90
  text "GND" at 19.427,-56.805 h0.8
  text "3.3V" at 11.222,-56.96 h0.8
  text "掌控拓展板Ⅰ" at 34.667,-57.418 h2.5 r90
  text "SDA" at 3.073,-57.769 h0.8
  text "下方这两排(0.95MM)插孔要求走正公差+0到0.05MM内" at 7.714,-71.17 h3
  text "生产日期请丝印再此处（ TOP Overlay层）" at -8.521,-83.148 h3
Bottom Overlay:
  drawing of 37531 lines, arcs and shapes, not listed
  text "+" at 18.022,-23.552 h1.5
Top Solder:
  lines w0.013: 2.829,-21.855 ccw(c2.75,-20.356) 4.239,-20.54
Bottom Solder:
  drawing of 10220 lines, arcs and shapes, not listed
Mechanical 2:
  drawing of 471 lines, arcs and shapes, not listed
Mechanical 7:
  circle w0.15: c14.75,-52.84 r3
  lines w0.15: 3.42,-64.066 3.42,-63.148 ; 4.251,-63.148 3.42,-63.148 ; 6.912,-71.318 6.912,-66.639 ; 8.221,-63.481 9.602,-63.481 ; 9.602,-64.341 9.602,-63.481 ; 3.42,-63.148 6.912,-66.639 ; 6.912,-66.639 6.912,-66.172 9.602,-63.481
  lines w0.2: 2.158,-55.853 3.198,-54.813 ; 3.198,-80.29 3.198,-54.813 ; 4.276,-55.892 3.198,-54.813

## Text inside footprints (layer, text, board x,y; h text height)
D1: Top Overlay "+" at -7.316,-24.508 h1
D3: Top Overlay "+" at 40.13,-23.503 h1
D6: Top Overlay "+" at -7.516,-18.305 h1